# Altium PCB FX_HT32.PcbDoc (part 3 of 3)
Units mil, origin at the board's own origin, x right, y up, seen from the top; angles counter-clockwise.
Board outline 4186 x 4124 mil, 2 copper layers (Top Layer, Bottom Layer); 60 components, 114 nets, 280 pads, 2 vias.
Unrouted connection lines stored in the file: 13.
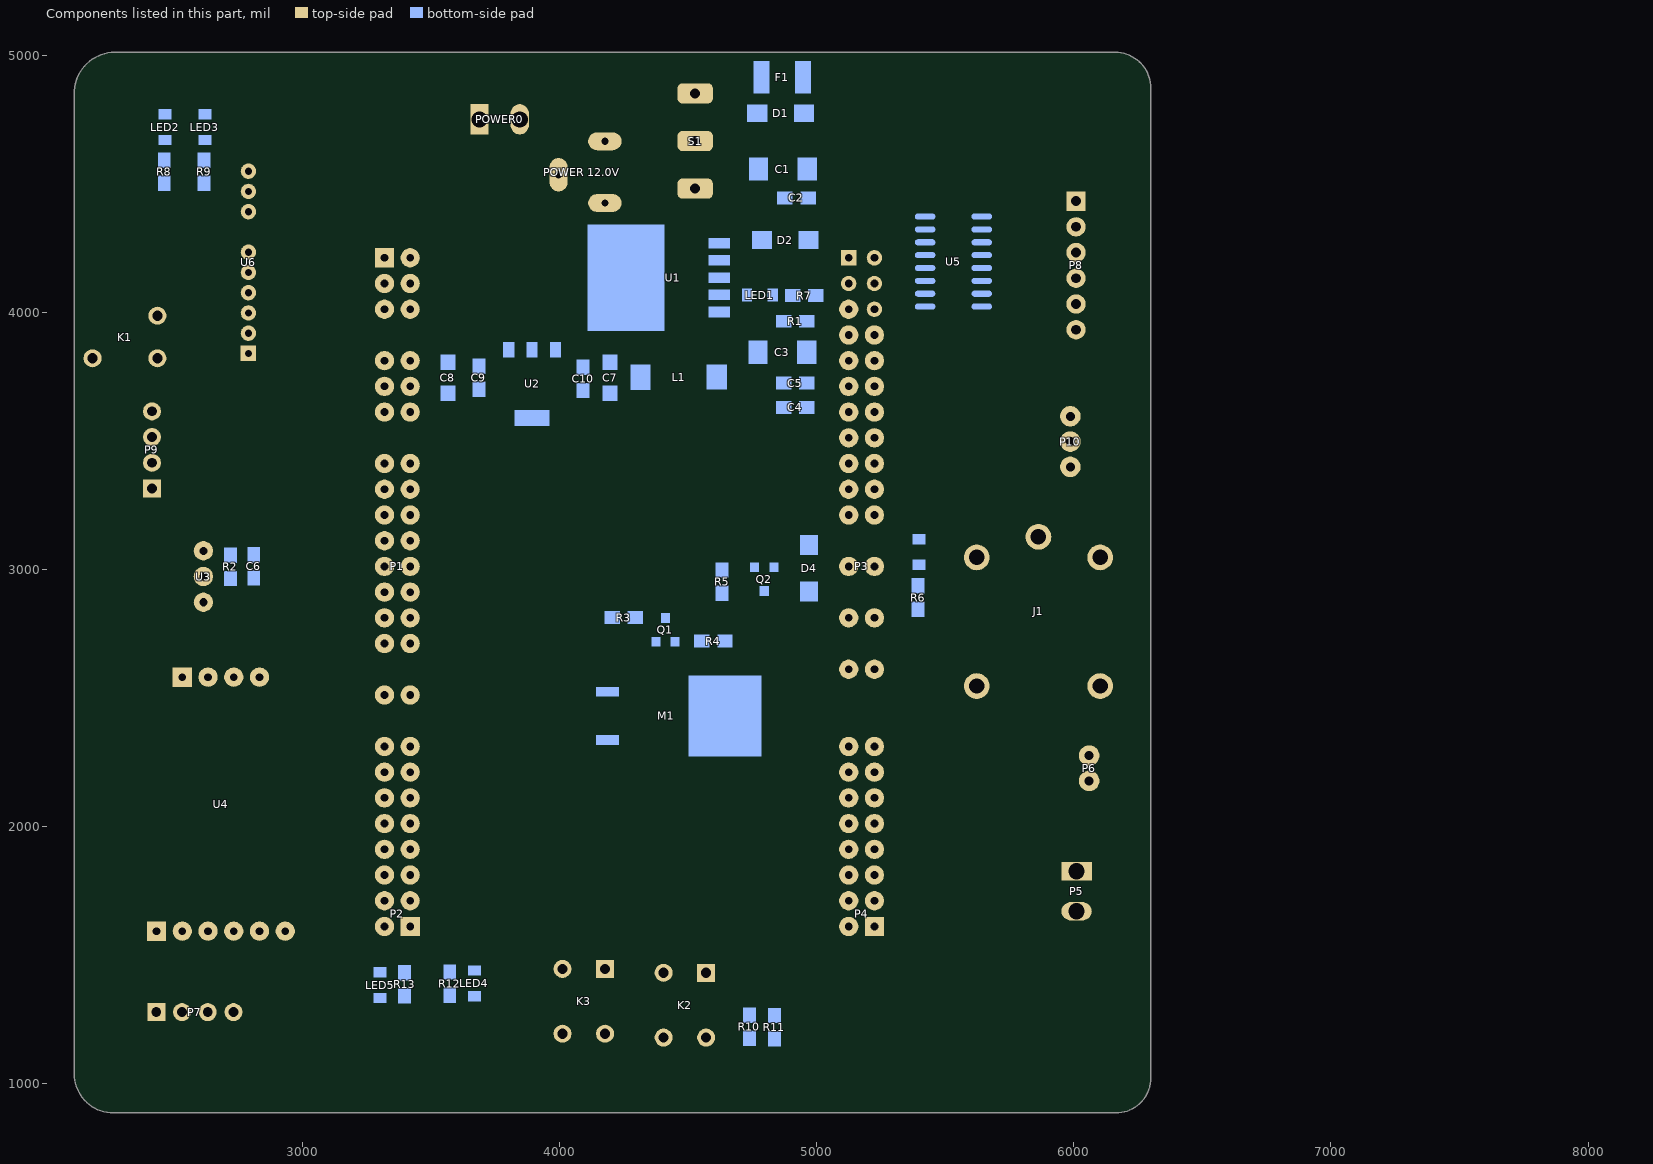
[diagram p3: the components of this part, seen from the top]

## Via types
v1: diameter 30, hole 15, Top Layer to Bottom Layer, 2 vias

## Nets (pads, with @x,y where several pads share a name; then routed paths per layer and width w, separated by ;. In a path a pad name is that pad's centre, name@x,y a point inside that pad or via, vN(x,y) a via of type N, cw(c..) or ccw(c..) an arc to the next point about the centre after c; other vN are vias at no path point) (continued)
copper on no net: (continued)
  Top Layer w2: 3926.28,2952.9 3936.28,2952.9 ; 3926.28,2954.9 3928.28,2954.9 ; 3926.28,2984.9 3930.28,2984.9 ; 3926.28,2986.9 3932.28,2986.9 ; 3926.28,2988.9 3930.28,2988.9 ; 3926.28,3146.9 3932.28,3146.9 ; 3926.28,3208.9 3930.28,3208.9 ; 3928.28,2784.9 3962.28,2784.9 ; 3928.28,2906.9 3940.28,2906.9 ; 3928.28,3022.9 3930.28,3022.9 ; 3928.28,3212.9 3930.28,3212.9 ; 3928.28,3294.9 3962.28,3294.9 ; 3930.28,2824.9 4004.28,2824.9 ; 3930.28,2826.9 4008.28,2826.9 ; 3930.28,2890.9 4000.28,2890.9 ; 3930.28,2964.9 3940.28,2964.9 ; 3930.28,2970.9 3938.28,2970.9 ; 3930.28,3128.9 3934.28,3128.9 ; 3930.28,3138.9 3934.28,3138.9 ; 3930.28,3172.9 3940.28,3172.9 ; 3930.28,3188.9 3992.28,3188.9 ; 3930.28,3230.9 3932.28,3230.9 ; 3932.28,2948.9 3934.28,2948.9 ; 3932.28,2950.9 3934.28,2950.9 ; 3932.28,3140.9 3934.28,3140.9 ; 3932.28,3148.9 3938.28,3148.9 ; 3932.28,3240.9 3936.28,3240.9 ; 3934.28,2908.9 3944.28,2908.9 ; 3934.28,2954.9 3936.28,2954.9 ; 3934.28,2956.9 3936.28,2956.9 ; 3934.28,2960.9 3936.28,2960.9 ; 3934.28,2962.9 3940.28,2962.9 ; 3934.28,2976.9 3944.28,2976.9 ; 3934.28,3042.9 3936.28,3042.9 ; 3934.28,3170.9 3944.28,3170.9 ; 3934.28,3250.9 3938.28,3250.9 ; 3934.28,3252.9 3936.28,3252.9 ; 3936.28,2892.9 3992.28,2892.9 ; 3936.28,3144.9 3938.28,3144.9 ; 3936.28,3150.9 3938.28,3150.9 ; 3936.28,3186.9 3996.28,3186.9 ; 3936.28,3204.9 4022.28,3204.9 ; 3936.28,3206.9 3944.28,3206.9 ; 3936.28,3208.9 3942.28,3208.9 ; 3936.28,3210.9 3938.28,3210.9 ; 3936.28,3218.9 3940.28,3218.9 ; 3936.28,3220.9 3940.28,3220.9 ; 3938.28,3168.9 3948.28,3168.9 ; 3938.28,3202.9 4020.28,3202.9 ; 3938.28,3216.9 4054.28,3216.9 ; 3938.28,3248.9 3940.28,3248.9 ; 3938.28,3270.9 3968.28,3270.9 ; 3940.28,2786.9 3968.28,2786.9 ; 3940.28,2910.9 3948.28,2910.9 ; 3940.28,3118.9 3958.28,3118.9 ; 3940.28,3120.9 3958.28,3120.9 ; 3940.28,3200.9 4020.28,3200.9 ; 3940.28,3226.9 3942.28,3226.9 ; 3940.28,3234.9 3942.28,3234.9 ; 3940.28,3258.9 3944.28,3258.9 ; 3940.28,3260.9 3942.28,3260.9 ; 3940.28,3268.9 3974.28,3268.9 ; 3940.28,3292.9 3968.28,3292.9 ; 3942.28,2860.9 3964.28,2860.9 ; 3942.28,2862.9 3962.28,2862.9 ; 3942.28,2894.9 3992.28,2894.9 ; 3942.28,3074.9 3966.28,3074.9 ; 3942.28,3076.9 3966.28,3076.9 ; 3942.28,3078.9 3966.28,3078.9 ; 3942.28,3080.9 3966.28,3080.9 ; 3942.28,3082.9 3966.28,3082.9 ; 3942.28,3084.9 3966.28,3084.9 ; 3942.28,3086.9 3966.28,3086.9 ; 3942.28,3094.9 3992.28,3094.9 ; 3942.28,3096.9 3978.28,3096.9 ; 3942.28,3098.9 3978.28,3098.9 ; 3942.28,3100.9 3978.28,3100.9 ; 3942.28,3102.9 3976.28,3102.9 ; 3942.28,3108.9 3948.28,3108.9 ; 3942.28,3184.9 3996.28,3184.9 ; 3942.28,3198.9 4022.28,3198.9 ; 3942.28,3214.9 4032.28,3214.9 ; 3942.28,3218.9 4052.28,3218.9 ; 3942.28,3224.9 4046.28,3224.9 ; 3942.28,3244.9 4020.28,3244.9 ; 3942.28,3250.9 3946.28,3250.9 ; 3942.28,3252.9 3946.28,3252.9 ; 3942.28,3254.9 3946.28,3254.9 ; 3942.28,3256.9 3944.28,3256.9 ; 3942.28,3264.9 3984.28,3264.9 ; 3942.28,3266.9 3978.28,3266.9 ; 3944.28,2856.9 3964.28,2856.9 ; 3944.28,2858.9 3964.28,2858.9 ; 3944.28,2864.9 3962.28,2864.9 ; 3944.28,2912.9 3952.28,2912.9 ; 3944.28,3166.9 3954.28,3166.9 ; 3944.28,3182.9 3998.28,3182.9 ; 3944.28,3194.9 4016.28,3194.9 ; 3944.28,3196.9 4016.28,3196.9 ; 3944.28,3212.9 4030.28,3212.9 ; 3944.28,3222.9 4048.28,3222.9 ; 3944.28,3234.9 3948.28,3234.9 ; 3944.28,3248.9 3946.28,3248.9 ; 3944.28,3262.9 3988.28,3262.9 ; 3946.28,2850.9 3968.28,2850.9 ; 3946.28,2852.9 3966.28,2852.9 ; 3946.28,2854.9 3966.28,2854.9 ; 3946.28,2866.9 3960.28,2866.9 ; 3946.28,2896.9 3958.28,2896.9 ; 3946.28,3220.9 4050.28,3220.9 ; 3946.28,3226.9 4044.28,3226.9 ; 3946.28,3232.9 4036.28,3232.9 ; 3946.28,3242.9 4022.28,3242.9 ; 3946.28,3258.9 3996.28,3258.9 ; 3946.28,3260.9 3992.28,3260.9 ; 3948.28,2788.9 3974.28,2788.9 ; 3948.28,2846.9 3968.28,2846.9 ; 3948.28,2848.9 3968.28,2848.9 ; 3948.28,2914.9 3956.28,2914.9 ; 3948.28,3164.9 3956.28,3164.9 ; 3948.28,3210.9 4030.28,3210.9 ; 3948.28,3228.9 4040.28,3228.9 ; 3948.28,3230.9 4026.28,3230.9 ; 3948.28,3240.9 4026.28,3240.9 ; 3948.28,3290.9 3976.28,3290.9 ; 3950.28,2840.9 3966.28,2840.9 ; 3950.28,2842.9 3968.28,2842.9 ; 3950.28,2844.9 3968.28,2844.9 ; 3950.28,2898.9 3996.28,2898.9 ; 3950.28,3180.9 4000.28,3180.9 ; 3952.28,2838.9 3964.28,2838.9 ; 3952.28,2916.9 3960.28,2916.9 ; 3952.28,3162.9 3960.28,3162.9 ; 3952.28,3206.9 4034.28,3206.9 ; 3952.28,3208.9 4032.28,3208.9 ; 3952.28,3234.9 4034.28,3234.9 ; 3952.28,3236.9 4032.28,3236.9 ; 3952.28,3238.9 4028.28,3238.9 ; 3952.28,3246.9 4016.28,3246.9 ; 3952.28,3248.9 4014.28,3248.9 ; 3952.28,3250.9 4010.28,3250.9 ; 3952.28,3252.9 4008.28,3252.9 ; 3952.28,3254.9 4004.28,3254.9 ; 3952.28,3256.9 4000.28,3256.9 ; 3954.28,2900.9 4000.28,2900.9 ; 3954.28,2918.9 3962.28,2918.9 ; 3954.28,3122.9 3958.28,3122.9 ; 3954.28,3178.9 4002.28,3178.9 ; 3956.28,2790.9 3980.28,2790.9 ; 3956.28,3160.9 3962.28,3160.9 ; 3956.28,3288.9 3980.28,3288.9 ; 3958.28,2902.9 4002.28,2902.9 ; 3958.28,2920.9 3966.28,2920.9 ; 3958.28,3110.9 3964.28,3110.9 ; 3958.28,3158.9 3966.28,3158.9 ; 3958.28,3176.9 3988.28,3176.9 ; 3960.28,2832.9 4016.28,2832.9 ; 3960.28,2896.9 3996.28,2896.9 ; 3960.28,3104.9 3976.28,3104.9 ; 3962.28,2792.9 3984.28,2792.9 ; 3962.28,2904.9 4004.28,2904.9 ; 3962.28,2922.9 3968.28,2922.9 ; 3962.28,3156.9 3968.28,3156.9 ; 3962.28,3174.9 3988.28,3174.9 ; 3962.28,3286.9 3984.28,3286.9 ; 3964.28,2906.9 4020.28,2906.9 ; 3964.28,2924.9 3972.28,2924.9 ; 3964.28,3154.9 3972.28,3154.9 ; 3964.28,3172.9 3990.28,3172.9 ; 3966.28,2926.9 3968.28,2926.9 ; 3966.28,3022.9 3968.28,3022.9 ; 3966.28,3112.9 3972.28,3112.9 ; 3968.28,2794.9 3990.28,2794.9 ; 3968.28,2834.9 4020.28,2834.9 ; 3968.28,2868.9 4016.28,2868.9 ; 3968.28,2870.9 4018.28,2870.9 ; 3968.28,2872.9 4010.28,2872.9 ; 3968.28,2874.9 4014.28,2874.9 ; 3968.28,2908.9 4018.28,2908.9 ; 3968.28,2928.9 3976.28,2928.9 ; 3968.28,3028.9 3984.28,3028.9 ; 3968.28,3030.9 3982.28,3030.9 ; 3968.28,3032.9 3982.28,3032.9 ; 3968.28,3034.9 3982.28,3034.9 ; 3968.28,3036.9 3984.28,3036.9 ; 3968.28,3038.9 3984.28,3038.9 ; 3968.28,3106.9 3976.28,3106.9 ; 3968.28,3152.9 3974.28,3152.9 ; 3968.28,3170.9 3972.28,3170.9 ; 3968.28,3284.9 3990.28,3284.9 ; 3970.28,2836.9 4022.28,2836.9 ; 3970.28,2864.9 4014.28,2864.9 ; 3970.28,2866.9 4016.28,2866.9 ; 3970.28,2876.9 4012.28,2876.9 ; 3970.28,2910.9 3976.28,2910.9 ; 3970.28,2926.9 3974.28,2926.9 ; 3970.28,3044.9 3982.28,3044.9 ; 3970.28,3046.9 3982.28,3046.9 ; 3970.28,3048.9 3982.28,3048.9 ; 3970.28,3050.9 3982.28,3050.9 ; 3970.28,3052.9 3982.28,3052.9 ; 3970.28,3054.9 3982.28,3054.9 ; 3970.28,3056.9 3982.28,3056.9 ; 3970.28,3058.9 3982.28,3058.9 ; 3970.28,3060.9 3982.28,3060.9 ; 3970.28,3062.9 3982.28,3062.9 ; 3970.28,3064.9 3982.28,3064.9 ; 3970.28,3066.9 3982.28,3066.9 ; 3970.28,3068.9 3982.28,3068.9 ; 3970.28,3070.9 3982.28,3070.9 ; 3970.28,3072.9 3982.28,3072.9 ; 3970.28,3074.9 3982.28,3074.9 ; 3970.28,3076.9 3982.28,3076.9 ; 3970.28,3078.9 3982.28,3078.9 ; 3970.28,3080.9 3982.28,3080.9 ; 3970.28,3082.9 3982.28,3082.9 ; 3970.28,3084.9 3982.28,3084.9 ; 3970.28,3086.9 3978.28,3086.9 ; 3970.28,3088.9 3982.28,3088.9 ; 3970.28,3150.9 3976.28,3150.9 ; 3970.28,3168.9 3994.28,3168.9 ; 3972.28,2858.9 4050.28,2858.9 ; 3972.28,2860.9 4052.28,2860.9 ; 3972.28,2862.9 4054.28,2862.9 ; 3972.28,2930.9 3980.28,2930.9 ; 3972.28,3148.9 3978.28,3148.9 ; 3974.28,2796.9 3994.28,2796.9 ; 3974.28,2838.9 4026.28,2838.9 ; 3974.28,2840.9 4028.28,2840.9 ; 3974.28,2852.9 4044.28,2852.9 ; 3974.28,2854.9 4046.28,2854.9 ; 3974.28,2856.9 4048.28,2856.9 ; 3974.28,2912.9 4014.28,2912.9 ; 3974.28,3108.9 3976.28,3108.9 ; 3974.28,3114.9 3976.28,3114.9 ; 3974.28,3146.9 3982.28,3146.9 ; 3974.28,3166.9 3996.28,3166.9 ; 3974.28,3170.9 3992.28,3170.9 ; 3974.28,3282.9 3994.28,3282.9 ; 3976.28,2842.9 4030.28,2842.9 ; 3976.28,2844.9 4034.28,2844.9 ; 3976.28,2846.9 4036.28,2846.9 ; 3976.28,2848.9 4038.28,2848.9 ; 3976.28,2850.9 4040.28,2850.9 ; 3976.28,2914.9 4016.28,2914.9 ; 3976.28,2932.9 3982.28,2932.9 ; 3976.28,2934.9 3984.28,2934.9 ; 3976.28,3164.9 3994.28,3164.9 ; 3978.28,2910.9 4012.28,2910.9 ; 3978.28,2916.9 4018.28,2916.9 ; 3978.28,2936.9 3986.28,2936.9 ; 3978.28,3112.9 3980.28,3112.9 ; 3978.28,3114.9 3980.28,3114.9 ; 3978.28,3116.9 3982.28,3116.9 ; 3978.28,3144.9 3984.28,3144.9 ; 3978.28,3280.9 3998.28,3280.9 ; 3980.28,2798.9 4000.28,2798.9 ; 3980.28,3086.9 3982.28,3086.9 ; 3980.28,3140.9 3988.28,3140.9 ; 3980.28,3142.9 3986.28,3142.9 ; 3980.28,3162.9 3994.28,3162.9 ; 3982.28,2918.9 4020.28,2918.9 ; 3982.28,2938.9 3988.28,2938.9 ; 3982.28,3096.9 3992.28,3096.9 ; 3982.28,3160.9 3996.28,3160.9 ; 3984.28,2800.9 4004.28,2800.9 ; 3984.28,2920.9 4022.28,2920.9 ; 3984.28,2940.9 3988.28,2940.9 ; 3984.28,3138.9 3990.28,3138.9 ; 3984.28,3158.9 4006.28,3158.9 ; 3984.28,3278.9 3990.28,3278.9 ; 3986.28,2922.9 4024.28,2922.9 ; 3986.28,2942.9 3992.28,2942.9 ; 3986.28,3090.9 3988.28,3090.9 ; 3986.28,3092.9 3990.28,3092.9 ; 3986.28,3134.9 3992.28,3134.9 ; 3986.28,3136.9 3990.28,3136.9 ; 3986.28,3156.9 4004.28,3156.9 ; 3988.28,2802.9 4006.28,2802.9 ; 3988.28,2944.9 3992.28,2944.9 ; 3988.28,3132.9 3994.28,3132.9 ; 3988.28,3276.9 4006.28,3276.9 ; 3990.28,2924.9 4024.28,2924.9 ; 3990.28,2926.9 4002.28,2926.9 ; 3990.28,2946.9 3994.28,2946.9 ; 3990.28,3022.9 3992.28,3022.9 ; 3990.28,3098.9 3994.28,3098.9 ; 3990.28,3130.9 3996.28,3130.9 ; 3990.28,3152.9 4006.28,3152.9 ; 3990.28,3154.9 4004.28,3154.9 ; 3992.28,2948.9 3996.28,2948.9 ; 3992.28,2950.9 3998.28,2950.9 ; 3992.28,3128.9 3998.28,3128.9 ; 3992.28,3274.9 4010.28,3274.9 ; 3994.28,2804.9 4010.28,2804.9 ; 3994.28,2928.9 4028.28,2928.9 ; 3994.28,2930.9 3998.28,2930.9 ; 3994.28,3126.9 4000.28,3126.9 ; 3994.28,3150.9 3998.28,3150.9 ; 3994.28,3278.9 4002.28,3278.9 ; 3996.28,2806.9 4014.28,2806.9 ; 3996.28,2892.9 3998.28,2892.9 ; 3996.28,2932.9 4032.28,2932.9 ; 3996.28,2952.9 4000.28,2952.9 ; 3996.28,2954.9 4002.28,2954.9 ; 3996.28,3122.9 4002.28,3122.9 ; 3996.28,3124.9 4000.28,3124.9 ; 3996.28,3146.9 4004.28,3146.9 ; 3996.28,3148.9 4104.28,3148.9 ; 3996.28,3168.9 3998.28,3168.9 ; 3996.28,3176.9 4002.28,3176.9 ; 3996.28,3192.9 4014.28,3192.9 ; 3996.28,3272.9 4014.28,3272.9 ; 3998.28,2882.9 4008.28,2882.9 ; 3998.28,2934.9 4034.28,2934.9 ; 3998.28,2956.9 4002.28,2956.9 ; 3998.28,2958.9 4004.28,2958.9 ; 3998.28,3120.9 4004.28,3120.9 ; 3998.28,3144.9 4106.28,3144.9 ; 3998.28,3190.9 4012.28,3190.9 ; 4000.28,2808.9 4018.28,2808.9 ; 4000.28,2930.9 4030.28,2930.9 ; 4000.28,2936.9 4036.28,2936.9 ; 4000.28,2960.9 4004.28,2960.9 ; 4000.28,3118.9 4006.28,3118.9 ; 4000.28,3142.9 4108.28,3142.9 ; 4000.28,3150.9 4020.28,3150.9 ; 4000.28,3160.9 4008.28,3160.9 ; 4000.28,3172.9 4002.28,3172.9 ; 4000.28,3174.9 4002.28,3174.9 ; 4000.28,3188.9 4008.28,3188.9 ; 4000.28,3270.9 4018.28,3270.9 ; 4002.28,2878.9 4010.28,2878.9 ; 4002.28,2938.9 4062.28,2938.9 ; 4002.28,2962.9 4006.28,2962.9 ; 4002.28,2964.9 4008.28,2964.9 ; 4002.28,3114.9 4008.28,3114.9 ; 4002.28,3116.9 4006.28,3116.9 ; 4002.28,3140.9 4108.28,3140.9 ; 4002.28,3162.9 4012.28,3162.9 ; 4002.28,3164.9 4012.28,3164.9 ; 4002.28,3186.9 4008.28,3186.9 ; 4004.28,2898.9 4026.28,2898.9 ; 4004.28,2926.9 4026.28,2926.9 ; 4004.28,2940.9 4056.28,2940.9 ; 4004.28,2966.9 4008.28,2966.9 ; 4004.28,2968.9 4010.28,2968.9 ; 4004.28,3112.9 4008.28,3112.9 ; 4004.28,3138.9 4108.28,3138.9 ; 4004.28,3166.9 4010.28,3166.9 ; 4004.28,3184.9 4006.28,3184.9 ; 4006.28,2810.9 4022.28,2810.9 ; 4006.28,2896.9 4046.28,2896.9 ; 4006.28,2900.9 4032.28,2900.9 ; 4006.28,2902.9 4030.28,2902.9 ; 4006.28,2904.9 4028.28,2904.9 ; 4006.28,2942.9 4040.28,2942.9 ; 4006.28,2970.9 4012.28,2970.9 ; 4006.28,3108.9 4010.28,3108.9 ; 4006.28,3110.9 4010.28,3110.9 ; 4006.28,3136.9 4110.28,3136.9 ; 4006.28,3146.9 4106.28,3146.9 ; 4006.28,3168.9 4008.28,3168.9 ; 4006.28,3180.9 4010.28,3180.9 ; 4006.28,3182.9 4008.28,3182.9 ; 4006.28,3268.9 4020.28,3268.9 ; 4008.28,2812.9 4024.28,2812.9 ; 4008.28,2894.9 4044.28,2894.9 ; 4008.28,2944.9 4040.28,2944.9 ; 4008.28,2946.9 4042.28,2946.9 ; 4008.28,2972.9 4012.28,2972.9 ; 4008.28,2974.9 4014.28,2974.9 ; 4008.28,3104.9 4012.28,3104.9 ; 4008.28,3106.9 4012.28,3106.9 ; 4008.28,3132.9 4112.28,3132.9 ; 4008.28,3134.9 4110.28,3134.9 ; 4008.28,3266.9 4024.28,3266.9 ; 4010.28,2890.9 4034.28,2890.9 ; 4010.28,2892.9 4034.28,2892.9 ; 4010.28,2948.9 4042.28,2948.9 ; 4010.28,2976.9 4014.28,2976.9 ; 4010.28,2978.9 4014.28,2978.9 ; 4010.28,2980.9 4016.28,2980.9 ; 4010.28,3100.9 4014.28,3100.9 ; 4010.28,3102.9 4014.28,3102.9 ; 4010.28,3130.9 4112.28,3130.9 ; 4010.28,3152.9 4018.28,3152.9 ; 4010.28,3188.9 4012.28,3188.9 ; 4012.28,2814.9 4028.28,2814.9 ; 4012.28,2872.9 4016.28,2872.9 ; 4012.28,2888.9 4038.28,2888.9 ; 4012.28,2950.9 4042.28,2950.9 ; 4012.28,2952.9 4044.28,2952.9 ; 4012.28,2982.9 4016.28,2982.9 ; 4012.28,2984.9 4018.28,2984.9 ; 4012.28,3094.9 4018.28,3094.9 ; 4012.28,3096.9 4016.28,3096.9 ; 4012.28,3098.9 4016.28,3098.9 ; 4012.28,3126.9 4114.28,3126.9 ; 4012.28,3128.9 4112.28,3128.9 ; 4012.28,3154.9 4018.28,3154.9 ; 4012.28,3156.9 4016.28,3156.9 ; 4012.28,3158.9 4016.28,3158.9 ; 4012.28,3160.9 4014.28,3160.9 ; 4012.28,3172.9 4018.28,3172.9 ; 4012.28,3174.9 4014.28,3174.9 ; 4012.28,3264.9 4028.28,3264.9 ; 4014.28,2886.9 4076.28,2886.9 ; 4014.28,2910.9 4016.28,2910.9 ; 4014.28,2954.9 4072.28,2954.9 ; 4014.28,2986.9 4018.28,2986.9 ; 4014.28,3090.9 4020.28,3090.9 ; 4014.28,3092.9 4018.28,3092.9 ; 4014.28,3124.9 4114.28,3124.9 ; 4014.28,3170.9 4018.28,3170.9 ; 4016.28,2816.9 4030.28,2816.9 ; 4016.28,2864.9 4056.28,2864.9 ; 4016.28,2882.9 4072.28,2882.9 ; 4016.28,2884.9 4018.28,2884.9 ; 4016.28,2956.9 4070.28,2956.9 ; 4016.28,2988.9 4020.28,2988.9 ; 4016.28,2990.9 4020.28,2990.9 ; 4016.28,2992.9 4020.28,2992.9 ; 4016.28,2994.9 4022.28,2994.9 ; 4016.28,3084.9 4020.28,3084.9 ; 4016.28,3086.9 4020.28,3086.9 ; 4016.28,3088.9 4020.28,3088.9 ; 4016.28,3120.9 4116.28,3120.9 ; 4016.28,3122.9 4116.28,3122.9 ; 4016.28,3166.9 4094.28,3166.9 ; 4016.28,3168.9 4094.28,3168.9 ; 4016.28,3178.9 4022.28,3178.9 ; 4016.28,3180.9 4018.28,3180.9 ; 4016.28,3262.9 4030.28,3262.9 ; 4018.28,2818.9 4026.28,2818.9 ; 4018.28,2880.9 4020.28,2880.9 ; 4018.28,2958.9 4068.28,2958.9 ; 4018.28,2960.9 4066.28,2960.9 ; 4018.28,2996.9 4022.28,2996.9 ; 4018.28,2998.9 4022.28,2998.9 ; 4018.28,3000.9 4022.28,3000.9 ; 4018.28,3080.9 4022.28,3080.9 ; 4018.28,3082.9 4022.28,3082.9 ; 4018.28,3118.9 4116.28,3118.9 ; 4018.28,3164.9 4096.28,3164.9 ; 4018.28,3176.9 4020.28,3176.9 ; 4018.28,3260.9 4034.28,3260.9 ; 4020.28,2866.9 4030.28,2866.9 ; 4020.28,2878.9 4052.28,2878.9 ; 4020.28,2884.9 4022.28,2884.9 ; 4020.28,2962.9 4064.28,2962.9 ; 4020.28,2964.9 4058.28,2964.9 ; 4020.28,3002.9 4024.28,3002.9 ; 4020.28,3004.9 4024.28,3004.9 ; 4020.28,3006.9 4024.28,3006.9 ; 4020.28,3070.9 4024.28,3070.9 ; 4020.28,3072.9 4024.28,3072.9 ; 4020.28,3074.9 4024.28,3074.9 ; 4020.28,3076.9 4024.28,3076.9 ; 4020.28,3078.9 4024.28,3078.9 ; 4020.28,3114.9 4118.28,3114.9 ; 4020.28,3116.9 4118.28,3116.9 ; 4020.28,3160.9 4098.28,3160.9 ; 4020.28,3162.9 4096.28,3162.9 ; 4020.28,3180.9 4024.28,3180.9 ; 4022.28,2820.9 4030.28,2820.9 ; 4022.28,2868.9 4060.28,2868.9 ; 4022.28,2876.9 4026.28,2876.9 ; 4022.28,2880.9 4072.28,2880.9 ; 4022.28,2910.9 4034.28,2910.9 ; 4022.28,2912.9 4036.28,2912.9 ; 4022.28,2914.9 4038.28,2914.9 ; 4022.28,2966.9 4060.28,2966.9 ; 4022.28,2968.9 4060.28,2968.9 ; 4022.28,3008.9 4024.28,3008.9 ; 4022.28,3010.9 4026.28,3010.9 ; 4022.28,3012.9 4026.28,3012.9 ; 4022.28,3014.9 4026.28,3014.9 ; 4022.28,3016.9 4026.28,3016.9 ; 4022.28,3018.9 4026.28,3018.9 ; 4022.28,3022.9 4028.28,3022.9 ; 4022.28,3058.9 4028.28,3058.9 ; 4022.28,3060.9 4026.28,3060.9 ; 4022.28,3062.9 4026.28,3062.9 ; 4022.28,3064.9 4026.28,3064.9 ; 4022.28,3066.9 4026.28,3066.9 ; 4022.28,3068.9 4026.28,3068.9 ; 4022.28,3110.9 4120.28,3110.9 ; 4022.28,3112.9 4118.28,3112.9 ; 4022.28,3156.9 4100.28,3156.9 ; 4022.28,3158.9 4098.28,3158.9 ; 4022.28,3182.9 4026.28,3182.9 ; 4022.28,3258.9 4036.28,3258.9 ; 4024.28,2822.9 4040.28,2822.9 ; 4024.28,2870.9 4062.28,2870.9 ; 4024.28,2884.9 4074.28,2884.9 ; 4024.28,2906.9 4026.28,2906.9 ; 4024.28,2908.9 4026.28,2908.9 ; 4024.28,2916.9 4038.28,2916.9 ; 4024.28,2970.9 4058.28,2970.9 ; 4024.28,2972.9 4056.28,2972.9 ; 4024.28,3020.9 4028.28,3020.9 ; 4024.28,3028.9 4028.28,3028.9 ; 4024.28,3030.9 4028.28,3030.9 ; 4024.28,3032.9 4028.28,3032.9 ; 4024.28,3034.9 4028.28,3034.9 ; 4024.28,3036.9 4028.28,3036.9 ; 4024.28,3038.9 4028.28,3038.9 ; 4024.28,3040.9 4028.28,3040.9 ; 4024.28,3042.9 4028.28,3042.9 ; 4024.28,3044.9 4028.28,3044.9 ; 4024.28,3046.9 4028.28,3046.9 ; 4024.28,3048.9 4028.28,3048.9 ; 4024.28,3050.9 4028.28,3050.9 ; 4024.28,3052.9 4028.28,3052.9 ; 4024.28,3054.9 4028.28,3054.9 ; 4024.28,3056.9 4028.28,3056.9 ; 4024.28,3106.9 4120.28,3106.9 ; 4024.28,3108.9 4120.28,3108.9 ; 4024.28,3150.9 4104.28,3150.9 ; 4024.28,3152.9 4102.28,3152.9 ; 4024.28,3154.9 4102.28,3154.9 ; 4024.28,3170.9 4026.28,3170.9 ; 4024.28,3184.9 4028.28,3184.9 ; 4024.28,3186.9 4030.28,3186.9 ; 4024.28,3188.9 4026.28,3188.9 ; 4026.28,2872.9 4030.28,2872.9 ; 4026.28,2918.9 4036.28,2918.9 ; 4026.28,2920.9 4034.28,2920.9 ; 4026.28,2974.9 4054.28,2974.9 ; 4026.28,2976.9 4054.28,2976.9 ; 4026.28,3102.9 4122.28,3102.9 ; 4026.28,3104.9 4120.28,3104.9 ; 4026.28,3172.9 4028.28,3172.9 ; 4026.28,3204.9 4028.28,3204.9 ; 4026.28,3256.9 4040.28,3256.9 ; 4028.28,2818.9 4034.28,2818.9 ; 4028.28,2824.9 4040.28,2824.9 ; 4028.28,2898.9 4036.28,2898.9 ; 4028.28,2908.9 4032.28,2908.9 ; 4028.28,2922.9 4032.28,2922.9 ; 4028.28,2978.9 4054.28,2978.9 ; 4028.28,2980.9 4056.28,2980.9 ; 4028.28,2982.9 4056.28,2982.9 ; 4028.28,3096.9 4124.28,3096.9 ; 4028.28,3098.9 4124.28,3098.9 ; 4028.28,3100.9 4122.28,3100.9 ; 4028.28,3170.9 4092.28,3170.9 ; 4028.28,3174.9 4090.28,3174.9 ; 4028.28,3176.9 4032.28,3176.9 ; 4028.28,3230.9 4032.28,3230.9 ; 4028.28,3254.9 4042.28,3254.9 ; 4030.28,2826.9 4044.28,2826.9 ; 4030.28,2874.9 4066.28,2874.9 ; 4030.28,2876.9 4068.28,2876.9 ; 4030.28,2984.9 4056.28,2984.9 ; 4030.28,2986.9 4094.28,2986.9 ; 4030.28,3092.9 4124.28,3092.9 ; 4030.28,3094.9 4124.28,3094.9 ; 4030.28,3172.9 4090.28,3172.9 ; 4030.28,3178.9 4086.28,3178.9 ; 4030.28,3192.9 4032.28,3192.9 ; 4030.28,3194.9 4034.28,3194.9 ; 4032.28,2820.9 4036.28,2820.9 ; 4032.28,2866.9 4058.28,2866.9 ; 4032.28,2872.9 4064.28,2872.9 ; 4032.28,2988.9 4094.28,2988.9 ; 4032.28,2990.9 4088.28,2990.9 ; 4032.28,2992.9 4058.28,2992.9 ; 4032.28,3086.9 4126.28,3086.9 ; 4032.28,3088.9 4124.28,3088.9 ; 4032.28,3090.9 4124.28,3090.9 ; 4032.28,3196.9 4034.28,3196.9 ; 4032.28,3198.9 4034.28,3198.9 ; 4032.28,3204.9 4034.28,3204.9 ; 4032.28,3252.9 4044.28,3252.9 ; 4034.28,2828.9 4048.28,2828.9 ; 4034.28,2994.9 4060.28,2994.9 ; 4034.28,2996.9 4060.28,2996.9 ; 4034.28,2998.9 4060.28,2998.9 ; 4034.28,3000.9 4060.28,3000.9 ; 4034.28,3002.9 4062.28,3002.9 ; 4034.28,3078.9 4126.28,3078.9 ; 4034.28,3080.9 4126.28,3080.9 ; 4034.28,3082.9 4126.28,3082.9 ; 4034.28,3084.9 4126.28,3084.9 ; 4034.28,3176.9 4088.28,3176.9 ; 4034.28,3180.9 4072.28,3180.9 ; 4034.28,3182.9 4044.28,3182.9 ; 4034.28,3230.9 4038.28,3230.9 ; 4034.28,3250.9 4048.28,3250.9 ; 4036.28,2900.9 4050.28,2900.9 ; 4036.28,2902.9 4052.28,2902.9 ; 4036.28,2904.9 4052.28,2904.9 ; 4036.28,2906.9 4052.28,2906.9 ; 4036.28,2928.9 4072.28,2928.9 ; 4036.28,2930.9 4072.28,2930.9 ; 4036.28,2932.9 4072.28,2932.9 ; 4036.28,3004.9 4062.28,3004.9 ; 4036.28,3006.9 4062.28,3006.9 ; 4036.28,3008.9 4062.28,3008.9 ; 4036.28,3070.9 4128.28,3070.9 ; 4036.28,3072.9 4128.28,3072.9 ; 4036.28,3074.9 4128.28,3074.9 ; 4036.28,3076.9 4126.28,3076.9 ; 4036.28,3184.9 4042.28,3184.9 ; 4036.28,3186.9 4040.28,3186.9 ; 4036.28,3214.9 4042.28,3214.9 ; 4036.28,3248.9 4050.28,3248.9 ; 4038.28,2830.9 4050.28,2830.9 ; 4038.28,2898.9 4048.28,2898.9 ; 4038.28,2908.9 4048.28,2908.9 ; 4038.28,2934.9 4070.28,2934.9 ; 4038.28,2936.9 4064.28,2936.9 ; 4038.28,3010.9 4128.28,3010.9 ; 4038.28,3012.9 4128.28,3012.9 ; 4038.28,3014.9 4128.28,3014.9 ; 4038.28,3016.9 4064.28,3016.9 ; 4038.28,3018.9 4062.28,3018.9 ; 4038.28,3020.9 4064.28,3020.9 ; 4038.28,3022.9 4062.28,3022.9 ; 4038.28,3052.9 4130.28,3052.9 ; 4038.28,3054.9 4130.28,3054.9 ; 4038.28,3056.9 4130.28,3056.9 ; 4038.28,3058.9 4128.28,3058.9 ; 4038.28,3060.9 4128.28,3060.9 ; 4038.28,3062.9 4128.28,3062.9 ; 4038.28,3064.9 4128.28,3064.9 ; 4038.28,3066.9 4128.28,3066.9 ; 4038.28,3068.9 4128.28,3068.9 ; 4038.28,3188.9 4040.28,3188.9 ; 4038.28,3190.9 4040.28,3190.9 ; 4038.28,3210.9 4060.28,3210.9 ; 4038.28,3212.9 4058.28,3212.9 ; 4040.28,2832.9 4052.28,2832.9 ; 4040.28,2910.9 4046.28,2910.9 ; 4040.28,2926.9 4102.28,2926.9 ; 4040.28,3024.9 4064.28,3024.9 ; 4040.28,3026.9 4058.28,3026.9 ; 4040.28,3028.9 4064.28,3028.9 ; 4040.28,3030.9 4064.28,3030.9 ; 4040.28,3032.9 4064.28,3032.9 ; 4040.28,3034.9 4064.28,3034.9 ; 4040.28,3036.9 4096.28,3036.9 ; 4040.28,3038.9 4130.28,3038.9 ; 4040.28,3040.9 4130.28,3040.9 ; 4040.28,3042.9 4130.28,3042.9 ; 4040.28,3044.9 4130.28,3044.9 ; 4040.28,3046.9 4130.28,3046.9 ; 4040.28,3048.9 4130.28,3048.9 ; 4040.28,3050.9 4130.28,3050.9 ; 4040.28,3202.9 4042.28,3202.9 ; 4040.28,3204.9 4042.28,3204.9 ; 4040.28,3206.9 4044.28,3206.9 ; 4040.28,3208.9 4044.28,3208.9 ; 4040.28,3246.9 4052.28,3246.9 ; 4042.28,2834.9 4054.28,2834.9 ; 4042.28,2912.9 4044.28,2912.9 ; 4042.28,2924.9 4076.28,2924.9 ; 4042.28,3194.9 4044.28,3194.9 ; 4042.28,3196.9 4044.28,3196.9 ; 4042.28,3198.9 4044.28,3198.9 ; 4042.28,3200.9 4044.28,3200.9 ; 4042.28,3244.9 4054.28,3244.9 ; 4044.28,2836.9 4056.28,2836.9 ; 4044.28,2922.9 4100.28,2922.9 ; 4044.28,2942.9 4050.28,2942.9 ; 4044.28,3214.9 4056.28,3214.9 ; 4044.28,3242.9 4058.28,3242.9 ; 4046.28,2838.9 4058.28,2838.9 ; 4046.28,2888.9 4078.28,2888.9 ; 4046.28,2890.9 4078.28,2890.9 ; 4046.28,2920.9 4098.28,2920.9 ; 4046.28,2944.9 4048.28,2944.9 ; 4048.28,2918.9 4098.28,2918.9 ; 4048.28,3182.9 4074.28,3182.9 ; 4048.28,3240.9 4052.28,3240.9 ; 4050.28,2840.9 4062.28,2840.9 ; 4050.28,2892.9 4082.28,2892.9 ; 4050.28,2894.9 4082.28,2894.9 ; 4050.28,2916.9 4096.28,2916.9 ; 4050.28,3184.9 4082.28,3184.9 ; 4050.28,3186.9 4076.28,3186.9 ; 4050.28,3238.9 4054.28,3238.9 ; 4052.28,2842.9 4064.28,2842.9 ; 4052.28,2896.9 4074.28,2896.9 ; 4052.28,2914.9 4096.28,2914.9 ; 4052.28,3188.9 4080.28,3188.9 ; 4052.28,3190.9 4078.28,3190.9 ; 4052.28,3192.9 4076.28,3192.9 ; 4052.28,3194.9 4074.28,3194.9 ; 4052.28,3196.9 4072.28,3196.9 ; 4052.28,3198.9 4062.28,3198.9 ; 4052.28,3200.9 4070.28,3200.9 ; 4052.28,3208.9 4058.28,3208.9 ; 4052.28,3236.9 4064.28,3236.9 ; 4054.28,2844.9 4066.28,2844.9 ; 4054.28,2878.9 4070.28,2878.9 ; 4054.28,2898.9 4062.28,2898.9 ; 4054.28,3202.9 4068.28,3202.9 ; 4054.28,3204.9 4066.28,3204.9 ; 4054.28,3206.9 4064.28,3206.9 ; 4054.28,3234.9 4066.28,3234.9 ; 4054.28,3240.9 4060.28,3240.9 ; 4056.28,2846.9 4060.28,2846.9 ; 4056.28,2900.9 4058.28,2900.9 ; 4056.28,2912.9 4094.28,2912.9 ; 4056.28,3232.9 4068.28,3232.9 ; 4056.28,3238.9 4062.28,3238.9 ; 4058.28,2902.9 4088.28,2902.9 ; 4058.28,2904.9 4090.28,2904.9 ; 4058.28,2910.9 4060.28,2910.9 ; 4058.28,2948.9 4112.28,2948.9 ; 4058.28,3230.9 4070.28,3230.9 ; 4060.28,2848.9 4070.28,2848.9 ; 4060.28,2850.9 4072.28,2850.9 ; 4060.28,2900.9 4076.28,2900.9 ; 4060.28,2906.9 4090.28,2906.9 ; 4060.28,2964.9 4064.28,2964.9 ; 4060.28,2980.9 4122.28,2980.9 ; 4060.28,2982.9 4122.28,2982.9 ; 4060.28,2984.9 4094.28,2984.9 ; 4060.28,3026.9 4064.28,3026.9 ; 4060.28,3208.9 4062.28,3208.9 ; 4062.28,2846.9 4066.28,2846.9 ; 4062.28,2852.9 4074.28,2852.9 ; 4062.28,2908.9 4092.28,2908.9 ; 4062.28,2946.9 4112.28,2946.9 ; 4062.28,2992.9 4078.28,2992.9 ; 4062.28,3228.9 4072.28,3228.9 ; 4064.28,2898.9 4068.28,2898.9 ; 4064.28,2910.9 4092.28,2910.9 ; 4064.28,2978.9 4122.28,2978.9 ; 4064.28,2994.9 4072.28,2994.9 ; 4064.28,3008.9 4128.28,3008.9 ; 4064.28,3198.9 4068.28,3198.9 ; 4064.28,3226.9 4074.28,3226.9 ; 4066.28,2854.9 4076.28,2854.9 ; 4066.28,2856.9 4078.28,2856.9 ; 4066.28,2944.9 4110.28,2944.9 ; 4066.28,2970.9 4070.28,2970.9 ; 4066.28,2972.9 4068.28,2972.9 ; 4066.28,3004.9 4128.28,3004.9 ; 4066.28,3006.9 4128.28,3006.9 ; 4066.28,3016.9 4128.28,3016.9 ; 4066.28,3018.9 4128.28,3018.9 ; 4066.28,3034.9 4096.28,3034.9 ; 4066.28,3224.9 4076.28,3224.9 ; 4068.28,2976.9 4122.28,2976.9 ; 4068.28,3020.9 4082.28,3020.9 ; 4068.28,3030.9 4096.28,3030.9 ; 4068.28,3032.9 4096.28,3032.9 ; 4068.28,3222.9 4078.28,3222.9 ; 4070.28,2858.9 4080.28,2858.9 ; 4070.28,2898.9 4086.28,2898.9 ; 4070.28,2942.9 4078.28,2942.9 ; 4070.28,2968.9 4076.28,2968.9 ; 4070.28,3002.9 4126.28,3002.9 ; 4070.28,3198.9 4072.28,3198.9 ; 4070.28,3220.9 4080.28,3220.9 ; 4072.28,2860.9 4082.28,2860.9 ; 4072.28,2862.9 4084.28,2862.9 ; 4072.28,2966.9 4080.28,2966.9 ; 4072.28,2974.9 4122.28,2974.9 ; 4072.28,3216.9 4084.28,3216.9 ; 4072.28,3218.9 4076.28,3218.9 ; 4074.28,2864.9 4086.28,2864.9 ; 4074.28,2964.9 4084.28,2964.9 ; 4074.28,3180.9 4086.28,3180.9 ; 4074.28,3214.9 4080.28,3214.9 ; 4076.28,2866.9 4088.28,2866.9 ; 4076.28,2896.9 4084.28,2896.9 ; 4076.28,2928.9 4104.28,2928.9 ; 4076.28,2930.9 4104.28,2930.9 ; 4076.28,2960.9 4086.28,2960.9 ; 4076.28,2962.9 4086.28,2962.9 ; 4076.28,3182.9 4084.28,3182.9 ; 4078.28,2868.9 4084.28,2868.9 ; 4078.28,2900.9 4088.28,2900.9 ; 4078.28,2924.9 4102.28,2924.9 ; 4078.28,2932.9 4106.28,2932.9 ; 4078.28,2934.9 4106.28,2934.9 ; 4078.28,2936.9 4108.28,2936.9 ; 4078.28,2958.9 4086.28,2958.9 ; 4078.28,2972.9 4120.28,2972.9 ; 4078.28,3186.9 4082.28,3186.9 ; 4078.28,3210.9 4090.28,3210.9 ; 4078.28,3212.9 4084.28,3212.9 ; 4078.28,3218.9 4082.28,3218.9 ; 4080.28,2870.9 4082.28,2870.9 ; 4080.28,2938.9 4108.28,2938.9 ; 4080.28,2956.9 4116.28,2956.9 ; 4080.28,3000.9 4096.28,3000.9 ; 4080.28,3028.9 4100.28,3028.9 ; 4080.28,3208.9 4084.28,3208.9 ; 4082.28,2872.9 4092.28,2872.9 ; 4082.28,2940.9 4108.28,2940.9 ; 4082.28,2942.9 4110.28,2942.9 ; 4082.28,2954.9 4114.28,2954.9 ; 4082.28,2970.9 4090.28,2970.9 ; 4082.28,3206.9 4092.28,3206.9 ; 4082.28,3214.9 4086.28,3214.9 ; 4084.28,2870.9 4086.28,2870.9 ; 4084.28,2874.9 4094.28,2874.9 ; 4084.28,2952.9 4114.28,2952.9 ; 4084.28,3204.9 4094.28,3204.9 ; 4086.28,2868.9 4088.28,2868.9 ; 4086.28,2876.9 4096.28,2876.9 ; 4086.28,2878.9 4098.28,2878.9 ; 4086.28,2950.9 4112.28,2950.9 ; 4086.28,3200.9 4096.28,3200.9 ; 4086.28,3202.9 4094.28,3202.9 ; 4086.28,3208.9 4090.28,3208.9 ; 4086.28,3212.9 4088.28,3212.9 ; 4088.28,2870.9 4090.28,2870.9 ; 4088.28,2880.9 4098.28,2880.9 ; 4088.28,2958.9 4116.28,2958.9 ; 4088.28,2998.9 4096.28,2998.9 ; 4088.28,3198.9 4098.28,3198.9 ; 4090.28,2882.9 4100.28,2882.9 ; 4090.28,2960.9 4116.28,2960.9 ; 4090.28,2962.9 4118.28,2962.9 ; 4090.28,3196.9 4094.28,3196.9 ; 4092.28,2884.9 4102.28,2884.9 ; 4092.28,2886.9 4102.28,2886.9 ; 4092.28,2964.9 4118.28,2964.9 ; 4092.28,2966.9 4118.28,2966.9 ; 4092.28,3192.9 4102.28,3192.9 ; 4092.28,3194.9 4102.28,3194.9 ; 4094.28,2888.9 4104.28,2888.9 ; 4094.28,2968.9 4120.28,2968.9 ; 4094.28,2970.9 4120.28,2970.9 ; 4094.28,3190.9 4104.28,3190.9 ; 4096.28,2890.9 4106.28,2890.9 ; 4096.28,3188.9 4106.28,3188.9 ; 4096.28,3196.9 4100.28,3196.9 ; 4098.28,2892.9 4108.28,2892.9 ; 4098.28,2894.9 4108.28,2894.9 ; 4098.28,2984.9 4124.28,2984.9 ; 4098.28,2986.9 4124.28,2986.9 ; 4098.28,2988.9 4124.28,2988.9 ; 4098.28,3020.9 4130.28,3020.9 ; 4098.28,3184.9 4108.28,3184.9 ; 4098.28,3186.9 4106.28,3186.9 ; 4100.28,2896.9 4110.28,2896.9 ; 4100.28,2990.9 4124.28,2990.9 ; 4100.28,2992.9 4126.28,2992.9 ; 4100.28,2994.9 4126.28,2994.9 ; 4100.28,2996.9 4126.28,2996.9 ; 4100.28,2998.9 4126.28,2998.9 ; 4100.28,3000.9 4126.28,3000.9 ; 4100.28,3182.9 4110.28,3182.9 ; 4102.28,2898.9 4110.28,2898.9 ; 4102.28,2900.9 4112.28,2900.9 ; 4102.28,3022.9 4130.28,3022.9 ; 4102.28,3034.9 4130.28,3034.9 ; 4102.28,3036.9 4130.28,3036.9 ; 4102.28,3178.9 4112.28,3178.9 ; 4102.28,3180.9 4110.28,3180.9 ; 4104.28,2902.9 4112.28,2902.9 ; 4104.28,3024.9 4130.28,3024.9 ; 4104.28,3026.9 4130.28,3026.9 ; 4104.28,3028.9 4130.28,3028.9 ; 4104.28,3030.9 4130.28,3030.9 ; 4104.28,3032.9 4130.28,3032.9 ; 4104.28,3176.9 4112.28,3176.9 ; 4106.28,2904.9 4114.28,2904.9 ; 4106.28,2906.9 4116.28,2906.9 ; 4106.28,3172.9 4116.28,3172.9 ; 4106.28,3174.9 4114.28,3174.9 ; 4108.28,2908.9 4116.28,2908.9 ; 4108.28,2910.9 4118.28,2910.9 ; 4108.28,3168.9 4118.28,3168.9 ; 4108.28,3170.9 4116.28,3170.9 ; 4110.28,2912.9 4118.28,2912.9 ; 4110.28,2914.9 4120.28,2914.9 ; 4110.28,3164.9 4120.28,3164.9 ; 4110.28,3166.9 4118.28,3166.9 ; 4112.28,2916.9 4120.28,2916.9 ; 4112.28,3162.9 4120.28,3162.9 ; 4114.28,2918.9 4122.28,2918.9 ; 4114.28,2920.9 4122.28,2920.9 ; 4114.28,3156.9 4124.28,3156.9 ; 4114.28,3158.9 4122.28,3158.9 ; 4114.28,3160.9 4122.28,3160.9 ; 4116.28,2922.9 4124.28,2922.9 ; 4116.28,2924.9 4124.28,2924.9 ; 4116.28,2926.9 4126.28,2926.9 ; 4116.28,3154.9 4124.28,3154.9 ; 4118.28,2928.9 4126.28,2928.9 ; 4118.28,3148.9 4128.28,3148.9 ; 4118.28,3150.9 4126.28,3150.9 ; 4118.28,3152.9 4126.28,3152.9 ; 4120.28,2930.9 4128.28,2930.9 ; 4120.28,2932.9 4128.28,2932.9 ; 4120.28,2934.9 4130.28,2934.9 ; 4120.28,3144.9 4130.28,3144.9 ; 4120.28,3146.9 4128.28,3146.9 ; 4122.28,2936.9 4130.28,2936.9 ; 4122.28,2938.9 4132.28,2938.9 ; 4122.28,3140.9 4130.28,3140.9 ; 4122.28,3142.9 4130.28,3142.9 ; 4124.28,2940.9 4132.28,2940.9 ; 4124.28,2942.9 4132.28,2942.9 ; 4124.28,3136.9 4132.28,3136.9 ; 4124.28,3138.9 4132.28,3138.9 ; 4126.28,2944.9 4134.28,2944.9 ; 4126.28,2946.9 4134.28,2946.9 ; 4126.28,2948.9 4134.28,2948.9 ; 4126.28,2950.9 4136.28,2950.9 ; 4126.28,3130.9 4134.28,3130.9 ; 4126.28,3132.9 4134.28,3132.9 ; 4126.28,3134.9 4134.28,3134.9 ; 4128.28,2952.9 4136.28,2952.9 ; 4128.28,2954.9 4136.28,2954.9 ; 4128.28,3124.9 4136.28,3124.9 ; 4128.28,3126.9 4136.28,3126.9 ; 4128.28,3128.9 4136.28,3128.9 ; 4130.28,2956.9 4138.28,2956.9 ; 4130.28,2958.9 4138.28,2958.9 ; 4130.28,2960.9 4138.28,2960.9 ; 4130.28,3116.9 4138.28,3116.9 ; 4130.28,3118.9 4138.28,3118.9 ; 4130.28,3120.9 4138.28,3120.9 ; 4130.28,3122.9 4138.28,3122.9 ; 4132.28,2962.9 4140.28,2962.9 ; 4132.28,2964.9 4140.28,2964.9 ; 4132.28,2966.9 4140.28,2966.9 ; 4132.28,3112.9 4140.28,3112.9 ; 4132.28,3114.9 4140.28,3114.9 ; 4134.28,2968.9 4142.28,2968.9 ; 4134.28,2970.9 4142.28,2970.9 ; 4134.28,2972.9 4142.28,2972.9 ; 4134.28,2974.9 4142.28,2974.9 ; 4134.28,3104.9 4142.28,3104.9 ; 4134.28,3106.9 4142.28,3106.9 ; 4134.28,3108.9 4142.28,3108.9 ; 4134.28,3110.9 4142.28,3110.9 ; 4136.28,2976.9 4144.28,2976.9 ; 4136.28,2978.9 4144.28,2978.9 ; 4136.28,2980.9 4144.28,2980.9 ; 4136.28,2982.9 4144.28,2982.9 ; 4136.28,3096.9 4144.28,3096.9 ; 4136.28,3098.9 4144.28,3098.9 ; 4136.28,3100.9 4144.28,3100.9 ; 4136.28,3102.9 4144.28,3102.9 ; 4138.28,2984.9 4146.28,2984.9 ; 4138.28,2986.9 4146.28,2986.9 ; 4138.28,2988.9 4146.28,2988.9 ; 4138.28,2990.9 4146.28,2990.9 ; 4138.28,2992.9 4146.28,2992.9 ; 4138.28,3084.9 4146.28,3084.9 ; 4138.28,3086.9 4146.28,3086.9 ; 4138.28,3088.9 4146.28,3088.9 ; 4138.28,3090.9 4146.28,3090.9 ; 4138.28,3092.9 4146.28,3092.9 ; 4138.28,3094.9 4146.28,3094.9 ; 4140.28,2994.9 4146.28,2994.9 ; 4140.28,2996.9 4148.28,2996.9 ; 4140.28,2998.9 4148.28,2998.9 ; 4140.28,3000.9 4148.28,3000.9 ; 4140.28,3002.9 4148.28,3002.9 ; 4140.28,3004.9 4148.28,3004.9 ; 4140.28,3072.9 4148.28,3072.9 ; 4140.28,3074.9 4148.28,3074.9 ; 4140.28,3076.9 4148.28,3076.9 ; 4140.28,3078.9 4148.28,3078.9 ; 4140.28,3080.9 4148.28,3080.9 ; 4140.28,3082.9 4148.28,3082.9 ; 4142.28,3006.9 4148.28,3006.9 ; 4142.28,3008.9 4148.28,3008.9 ; 4142.28,3010.9 4148.28,3010.9 ; 4142.28,3012.9 4150.28,3012.9 ; 4142.28,3014.9 4150.28,3014.9 ; 4142.28,3016.9 4150.28,3016.9 ; 4142.28,3018.9 4150.28,3018.9 ; 4142.28,3020.9 4150.28,3020.9 ; 4142.28,3022.9 4150.28,3022.9 ; 4142.28,3024.9 4150.28,3024.9 ; 4142.28,3026.9 4150.28,3026.9 ; 4142.28,3028.9 4150.28,3028.9 ; 4142.28,3030.9 4152.28,3030.9 ; 4142.28,3032.9 4152.28,3032.9 ; 4142.28,3034.9 4152.28,3034.9 ; 4142.28,3036.9 4152.28,3036.9 ; 4142.28,3038.9 4152.28,3038.9 ; 4142.28,3040.9 4152.28,3040.9 ; 4142.28,3042.9 4152.28,3042.9 ; 4142.28,3044.9 4152.28,3044.9 ; 4142.28,3046.9 4152.28,3046.9 ; 4142.28,3048.9 4152.28,3048.9 ; 4142.28,3050.9 4150.28,3050.9 ; 4142.28,3052.9 4150.28,3052.9 ; 4142.28,3054.9 4150.28,3054.9 ; 4142.28,3056.9 4150.28,3056.9 ; 4142.28,3058.9 4150.28,3058.9 ; 4142.28,3060.9 4150.28,3060.9 ; 4142.28,3062.9 4150.28,3062.9 ; 4142.28,3064.9 4150.28,3064.9 ; 4142.28,3066.9 4150.28,3066.9 ; 4142.28,3068.9 4150.28,3068.9 ; 4142.28,3070.9 4150.28,3070.9

## Keep-outs
Keep-Out Layer:
  lines w10: 6971.64,3197.82 6971.64,3434.04 6971.64,4541.7 ccw(c6973.45,4777.91) 7209.57,4770.91 8075.71,4770.91 8115.08,4731.54 8115.08,4416.58 ccw(c8115.08,4326.03) 8115.08,4235.48 8115.08,3133.12 8115.08,2896.9 ccw(c8113.27,2660.68) 7877.15,2667.68 7029.33,2667.68 7013.59,2667.68 ; 6973.35,3196.11 cw(c6973.35,3105.56) 6973.35,3015.01 6973.35,2707.92 7013.59,2667.68 ; 7228.31,4820.28 7228.31,4840.28 ; 7288.31,4810.28 7228.31,4830.28 ; 7288.31,4850.28 7228.31,4830.28 ; 7300.49,4830.28 7228.31,4830.28 ; 8022.27,4830.28 8094.45,4830.28 ; 8034.45,4810.28 8094.45,4830.28 ; 8034.45,4850.28 8094.45,4830.28 ; 8094.45,4820.28 8094.45,4840.28 ; 7013.59,2667.68 7013.59,2667.68
  lines w20: 2114,1038.93 ccw(c2265.93,1038.93) 2265.93,887 6164,887 ccw(c6164,1023) 6300,1023 6300,4872 ccw(c6161,4872) 6161,5011 2270,5011 ccw(c2273,4852) 2114,4849 2114,1038.93
  text "866.142 (mil)" at 7310.49,4794.29 h60

## Other copper
Bottom Layer:
  text "-" at 5947,4473 h80
  text "-" at 5982,4473 h120
  text "HT32_智能蜂箱" at 6053,1460 h150 r8.91
  text "Smart Hive System" at 6150,1291 h100 r10.34
  text "V1.01" at 5328,1107 h100 r6.69

## Text inside footprints (layer, text, board x,y; h text height)
F1: Bottom Overlay "~" at 4849,4945 h98.43 r180
P1: Top Overlay "50" at 3400,1732 h50 r270; Top Overlay "49" at 3300,1732 h50 r270; Top Overlay "1" at 3300,4312 h50 r270; Top Overlay "2" at 3400,4312 h50 r270
P2: Top Overlay "1" at 3440,1532 h50 r90; Top Overlay "2" at 3340,1512 h50 r90; Top Overlay "4" at 3340,1772 h50 r90; Top Overlay "3" at 3440,1772 h50 r90
P3: Top Overlay "50" at 5205,1732 h50 r270; Top Overlay "49" at 5105,1732 h50 r270; Top Overlay "1" at 5105,4312 h50 r270; Top Overlay "2" at 5205,4312 h50 r270
P4: Top Overlay "3" at 5245,1772 h50 r90; Top Overlay "4" at 5145,1772 h50 r90; Top Overlay "2" at 5145,1512 h50 r90; Top Overlay "1" at 5245,1532 h50 r90
P6: Top Overlay "V" at 6178.11,2138.63 h50 r90; Top Overlay "V" at 6178.11,2280.36 h50 r90
P10: Top Overlay "V" at 6096.92,3576.17 h50 r90; Top Overlay "V" at 6096.92,3379.32 h50 r90